# KiCad board mist1010.kicad_pcb (continued)
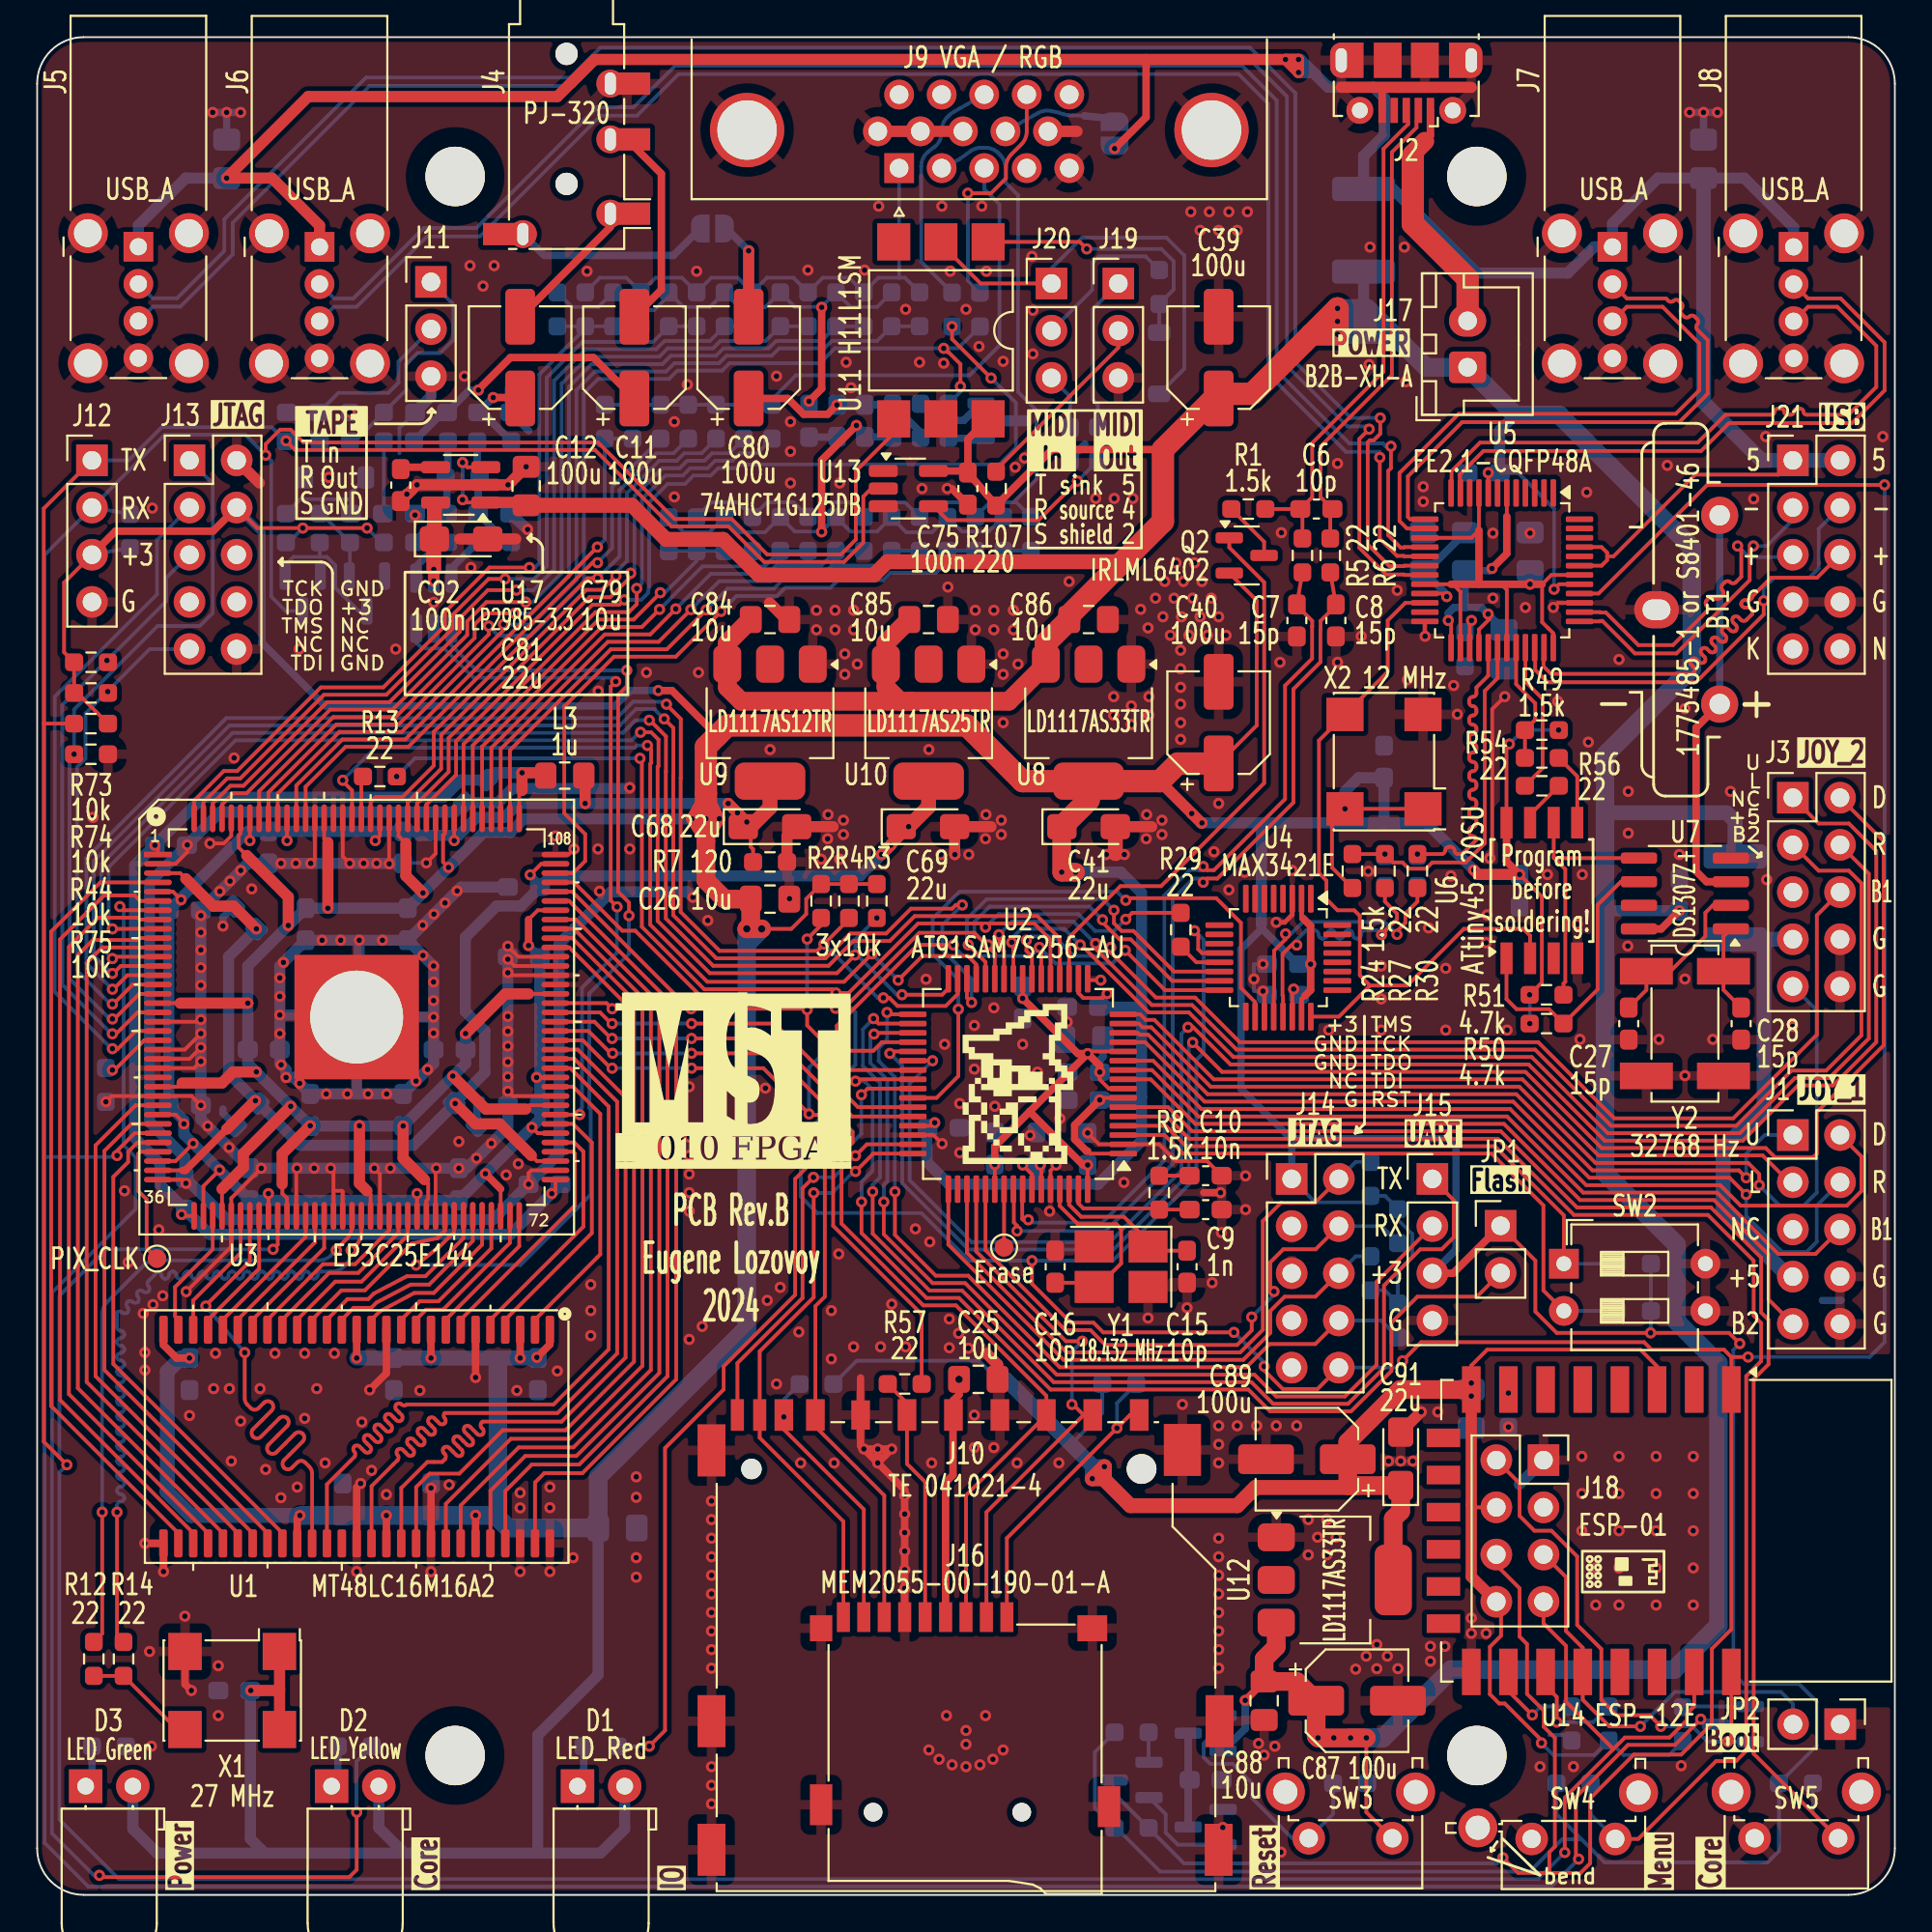
[diagram p0: board, top side]
## Routing (per net, layer and track width the routed paths; a pad name or vN(x,y) marks a point on that pad's centre or on a via; arc(x,y) is an arc through that point) (continued)
+3V3_2: length 104
  Top w0.2: J18.8 78.8,15.53 78.8,13.95 78.2,13.35 78.2,10.8 78.7,10.3 79,10.3 80.98,8.32 v1(80.98,8.18) ; J18.4 77.34,20.86 77.2,21 ; U14.3 87.2,28.45 86.3,29.35 78.06,29.35 77.2,28.49 U14.8
  Top w0.6: U14.8 77.2,27.2 77.2,17.13 J18.8
  Top w0.8: 71.1,22.03 71,21.93 65.58,21.93 64.6,20.95 58.85,20.95 57.4,22.4 ; 57.4,22.4 v1(56.8,22.4) v1(57.45,23.05) 57.45,22.45 57.4,22.4
  Top w1: U14.8 73.38,27.2 70.55,24.37 C89.1 70.55,22.03 C91.1 73.4,20.65 73,20.25 U12.2
  Bottom w0.2: 55.65,24.25 57.34,25.94 R53.1 ; R64.1 44.11,28.75 50.69,28.75 L2.1 ; R59.1 87.84,7.53 85.39,7.53 R109.2 83.81,7.53 81.63,7.53 v1(80.98,8.18)
  Bottom w0.8: 56.62,23.27 52.15,27.75 L2.1 ; 56.62,23.27 56.85,23.05 v1(57.45,23.05) 57.15,22.75 ; 56.62,23.27 56.8,23.1 v1(56.8,22.4) 57.15,22.75 ; 56.62,23.27 57.15,22.75
  vias: v1(77.2,27.55) v1(77.2,26.85)
+3V3A: length 4.4
  Top w0.6: v1(21.35,71.35) v1(21.35,70.72)
  Top w0.8: v1(21.35,71.35) 21.35,72.95 C81.1 21.38,74.68
  Bottom w0.2: 21.35,70.88 v1(21.35,71.35)
+5V: length 294.9
  Top w0.2: SW3.1 71.55,4.45 v1(71.55,8.45) ; U5.41 81.93,70.55 v1(81.66,70.28) ; v1(22.9,77.1) 23.15,76.85 U17.3 ; U5.8 v1(78.11,76.55) ; U17.1 23.05,74.95 v1(22.9,75.1)
  Top w0.4: C88.2 v1(65.03,10.47) ; U11.6 50.1,78.36 C75.2 R107.2 54.63,77.8 60.6,77.8 ; U7.8 87.42,52 v1(88.4,52.97) ; 48.26,76.65 50.01,76.65
  Top w0.6: U17.1 26.17,74.95 C79.2
  Top w0.8: C79.2 32.02,74.8 33.86,72.96 36.93,72.96 38.84,71.05 45.05,71.05 45.76,71.76 58.44,71.76
  Top w1: 55.56,68.89 C86.2 ; C85.2 45.69,67.39 U10.3 45.69,65.01 46.45,64.25 47.09,64.25 ; 63.6,80.8 C39.1 ; C84.2 37.15,67.39 U9.3 37.15,65 37.9,64.25 47.09,64.25 ; 47.09,64.25 52.3,64.25 U8.3 ; v1(71.55,8.45) v1(68.95,8.45) 68.85,8.55 C87.1 67.81,11.49 C88.2 66.05,12.7 66.7,13.35 U12.3
  Top w1.2: C86.2 54.3,67.39 U8.3 ; 68.6,84 65.4,80.8 63.6,80.8 ; 68.6,84 v1(70,84) v1(70,85.4) 68.6,84 ; 55.56,68.89 60.6,73.93 60.6,77.8 63.35,80.55 C39.1
  Bottom w0.2: v1(22.9,77.1) v1(22.9,75.1) ; 78.72,76.55 79.72,76.55 81.66,74.62 v1(81.66,70.28)
  Bottom w0.4: v1(65.03,10.47) 65.03,8.94 Q5.2
  Bottom w0.6: 71.6,85.4 71.4,85.6 F1.1 ; v1(88.4,52.97) 84.47,52.97 84.4,52.9 ; v1(78.11,76.55) 78.72,76.55 78.72,78.83 79.56,79.67
  Bottom w0.8: 84.4,58.25 90.95,58.25 91.4,57.8 F2.1
  Bottom w1: 72.45,8.45 v1(68.95,8.45) ; 72.45,8.45 v1(70.7,8.45) ; 72.45,8.45 v1(71.55,8.45) ; 72.45,8.45 76.12,12.12 88.12,12.12 90.5,14.5 90.5,28.62 88.25,30.87 88.25,35 84.4,38.85 84.4,61.35 89.07,66.02 89.07,72.53 81.93,79.67 79.56,79.67 J17.1 74.77,82.23 72.7,84.3 ; 72.45,8.45 v1(69.8,8.45) ; 72.7,84.3 71.6,85.4 v1(70,85.4) v1(70,84.7) ; 72.7,84.3 73,84 v1(70,84) v1(70,84.7) ; 72.7,84.3 72.3,84.7 v1(70,84.7)
+5V_JOY: length 23.8
  Bottom w0.8: J3.7 F2.2 ; 92.55,51.4 92.95,51 92.95,42.4 90.75,40.2 90.75,36.81 94.28,33.28
+5V_USB: length 164.2
  Top w0.2: J21.1 93.74,76.45 89.25,76.45 84.85,72.05 84.51,72.05 ; U5.43 84.21,71.55 84.51,71.85 84.51,72.25 84.21,72.55 U5.45
  Top w0.4: 59.7,98.8 59.69,98.79 59.69,95.69 v1(58,94)
  Top w0.6: v1(67.9,98.8) 67.8,98.7 ; v1(67.9,98.8) v1(67.9,98.1) v1(67.2,98.8) v1(67.9,98.8) ; v1(67.9,98.8) 30,98.8 28,96.8 14.59,96.8 v1(10.2,92.41) 12.65,92.41 15.2,89.86 J6.1
  Bottom w0.6: 69.49,97.31 71.94,97.31 72.53,96.72 72.53,94.72 71.4,93.6 F1.2 72.97,91.82 77.5,87.3 82.4,87.3 83.81,88.71 J7.1 84.8,89.96 87.25,92.41 C33.2 91.9,92.41 94.55,89.76 J8.1 ; 69.49,97.31 68.7,98.1 v1(67.9,98.1) ; 69.49,97.31 68,98.8 v1(67.9,98.8) ; v1(10.2,92.41) 7.99,92.41 5.45,89.87 J5.1 ; v1(67.9,98.1) v1(67.9,98.8) ; v1(67.9,98.1) v1(67.2,98.8) v1(67.9,98.8)
  Bottom w0.8: C33.2 89.7,80.35 92.83,77.22 J21.1 J21.2
GND: length 395.9
  Top w0.2: U3.2 7.45,55.5 8.08,56.13 v1(8.08,56.52) ; U3.36 7.81,38.5 v1(8.01,38.3) ; U3.41 10.45,37.5 v1(12.06,39.11) ; C10.2 62.97,39.5 61.3,39.5 60.4,40.4 U2.2 57.16,40.4 v1(56.55,41.01) ; U3.140 10.45,57 10.05,56.6 v1(9.3,56.6) ; v1(25.34,43.26) 25.6,43 U3.82 ; v1(25.34,50.36) 25.7,50 U3.96 ; v1(25.34,51.06) 25.9,50.5 U3.97 ; v1(16.83,55.52) 16.45,55.9 U3.128 ; 15.95,37.9 16.4,37.9 16.45,37.85 U3.53 ; v1(54.85,39.29) 54.55,38.99 U2.60 ; U3.22 7.95,45.5 v1(8.81,46.36) ; v1(14.72,55.52) 14.95,55.75 U3.131 ; U3.74 26.6,39 26.45,38.85 v1(26.45,38.25) ; U3.118 21.45,56.05 v1(20.95,55.55) ; U3.52 15.95,38.96 v1(15.8,39.11) ; v1(25.34,49.64) 25.47,49.5 U3.95 ; U2.46 48.25,40.9 v1(48.71,40.43) ; U5.24 74.7,67.76 v1(74.71,67.75) ; v1(13.99,39.11) 13.95,39.07 U3.48 ; v1(18.95,55.5) U3.123 ; U3.108 28.6,56 v1(28.9,56.3) ; U3.23 8.2,45 v1(8.81,45.61) ; U3.24 8.45,44.5 v1(8.81,44.86) ; U2.17 56.62,49.24 v1(57.25,49.24) ; v1(21.49,39.11) 21.45,39.07 U3.63 ; v1(3.7,42.69) 4.01,43 U3.27 8.31,43 v1(8.81,42.5) ; U3.57 18.45,38.81 v1(18.15,39.11) ; v1(65.99,48.65) 66.06,48.57 U4.19 ; v1(78.2,55.8) 78.32,55.92 78.32,63.82 v1(79,64.5) ; 10.45,34.9 v1(8.02,32.47) ; U3.19 8.7,47 v1(8.81,47.11) ; v1(81.61,69.3) 81.86,69.55 U5.39
  Top w0.25: U3.41 10.45,34.9 ; v1(66.7,52.35) 67.15,52.35 67.56,52.76 U4.3
  Top w0.4: v1(45.25,23.25) 46.7,21.8 J16.6 ; v1(45.25,23.25) v1(44.5,24) ; v1(45.25,23.25) v1(46,24) v1(45.25,24) ; v1(45.25,23.25) v1(45.25,24) ; 72.4,96.1 72.4,97.1 ; v1(44.5,24) v1(45.25,24) ; v1(44.5,24) 44.32,24.17 J10.6 44.32,27.82 ; X1.2 7.96,11.34 v1(8.3,11) ; U1.12 18.8,28.08 v1(17.9,27.18) ; U1.46 v1(21.2,21.9) ; v1(23.6,27.85) U1.6 ; 49.24,75.7 C75.1 ; v1(17.41,22.14) 17.2,21.93 U1.41 ; v1(5.8,18.92) U1.28 v1(6.8,17.4) ; v1(63.7,37.8) 62.8,37.8
  Top w0.6: v1(49.4,56) 49.39,56.01 C69.2 51.35,57.5 ; C91.2 74.49,26 v1(74.5,26) ; J13.2 11.96,76 ; J9.10 55.98,94.93 ; R7.2 40.36,56.97 C68.2 42.85,57.5 ; 70.2,97.3 77.2,97.3 ; 51.1,29.15 51.7,28.55 C25.1 ; 25.76,72.99 C81.2 22.75,72.99 ; 39.43,69.55 40.32,68.65 C84.1 ; C41.2 60,57.5 ; C92.1 v1(20.45,75.9) U17.2 v1(25.35,75.9) v1(26.32,76.88) ; J9.6 J9.8
  Top w0.8: 58.05,56.05 58.04,56.06 C41.2
  Bottom w0.2: C13.2 19.5,78.96 19.5,77.6 ; R110.2 82.31,8.6 81.4,8.6 ; v1(65.99,48.65) 65.5,48.65 v1(65.5,49.3) 65.5,50.1 v1(65.99,50.1) ; v1(20.95,55.55) 19.72,55.55 ; C1.1 55.3,46.84 v1(55.45,46.99) 55.44,47 C63.1
  Bottom w0.4: C37.1 23.67,42.57 23.9,42.8 ; C36.1 10,42.08 10,42.3 ; v1(10.2,95.95) v1(10.95,95.95) ; v1(10.2,95.95) v1(9.45,95.95) ; v1(10.2,95.95) C34.1 ; C33.1 v1(89.7,95.95) ; v1(89.7,95.95) v1(88.95,95.95) ; v1(89.7,95.95) v1(90.45,95.95) ; 97.1,32 96.1,32 ; C14.2 25.47,79.8 26.46,78.81 ; C38.1 10,52.62 v1(10,52.15) ; 55.6,77.3 56.4,78.1
  Bottom w0.6: v1(35.3,53.7) 35,54 30.9,54 28.1,51.2 28.1,39.9 v1(26.45,38.25) 24.55,36.35 10.21,36.35 C72.1 7.95,39.7 6.05,41.6 6.05,54.49 C71.1 ; v1(25.34,51.06) v1(25.34,50.36) v1(25.34,49.64) v1(25.34,47.29) v1(25.34,46.49) v1(25.34,45.69) v1(25.34,44.84) v1(25.34,44.04) v1(25.34,43.26) C47.1 25.34,41.34 v1(24.45,40.45) v1(23.65,39.65) 23.11,39.11 v1(22.7,39.11) v1(21.49,39.11) v1(19.01,39.11) v1(14.91,39.11) v1(13.99,39.11) v1(12.06,39.11) C48.1 v1(10.33,40.23) v1(9.18,41.38) 8.81,41.75 v1(8.81,42.5) v1(8.81,44.86) v1(8.81,45.61) v1(8.81,46.36) v1(8.81,47.11) v1(8.81,48.96) v1(8.81,49.91) v1(8.81,50.86) v1(8.81,51.81) v1(8.81,52.71) C43.1 v1(9.83,54.02) v1(10.38,54.57) v1(10.96,55.14) 11.34,55.52 C45.1 v1(13.12,55.52) v1(13.92,55.52) v1(14.72,55.52) v1(16.83,55.52) v1(17.58,55.52) v1(18.28,55.52) 18.92,55.52 v1(18.95,55.5) 18.97,55.52 C42.1 ; J11.3 21.2,80.66 C13.2 ; J18.1 79.79,22.1 ; J9.6 47.54,94.93 ; C70.1 24.81,58.79 25.57,59.55 31.85,59.55 v1(31.9,59.6) ; v1(17.34,51.39) 17.34,47.39 ; v1(17.34,51.39) v1(18.59,51.39) C50.1 ; v1(17.34,51.39) v1(16.34,51.39) v1(15.34,51.39) C55.1 v1(13.26,50.19) 13.06,50 v1(13.06,49.36) v1(13.06,48.36) v1(13.06,47.36) ; J9.10 55.93,94.93 ; v1(13.06,47.36) 17.09,47.36 ; v1(13.06,47.36) v1(13.06,46.36) C57.1 13.06,44.75 v1(13.13,44.68) 13.4,44.41 v1(13.4,44) 13.81,44 v1(14.13,43.68) C54.1 v1(15.56,43.11) v1(16.7,43.11) 17.29,43.11 ; C14.2 25.46,81.06 ; v1(21.34,47.25) U3.145 17.2,43.2 17.29,43.11 ; C35.1 22.81,54.25 v1(22.61,54.04) v1(21.96,53.39) v1(21.36,52.79) v1(20.76,52.19) C50.1 ; C83.2 v1(26.4,73.5) ; C50.1 v1(20.77,50.57) v1(21.34,50) v1(21.34,49.14) v1(21.34,48.14) v1(21.34,46.39) C56.1 21.34,44.75 v1(21.02,44.43) v1(20.39,43.81) C53.1 v1(18.81,43.11) v1(17.81,43.11) 17.29,43.11 ; 22.89,58.69 22.49,58.29 9.85,58.29 v1(8.08,56.52)
  vias: v1(3,58) v1(4.7,37.9) v1(4.9,34.05) v1(5.71,31.3) v1(5.8,29.2) v1(5.8,28.25) v1(6.05,13.1) v1(6.2,74.65) v1(6.23,31.77) v1(6.15,8) v1(6.55,35.8) v1(6.76,32.25) v1(7.95,15) v1(8.2,25.8) v1(9.5,27.25) v1(9.6,29.15) v1(9.75,12.33) v1(9.75,9.65) v1(10.35,27.25) v1(10.45,23.35) v1(10.6,61.2) v1(10.95,25.5) v1(11.55,54.15) v1(12,27.25) v1(12.3,22.9) v1(12.8,29.15) v1(13.12,21.38) v1(14,21.95) v1(14.1,67.06) v1(14.4,29.15) v1(14.4,25.65) v1(15.05,27.25) v1(15.5,23.25) v1(15.7,76.3) v1(16,29.15) v1(16.84,79.8) v1(17.2,17.4) v1(17.47,25.45) v1(18,22.85) v1(18.8,21.55) v1(19.3,67.06) v1(19.9,75.4) v1(20.34,74.27) v1(20.6,27.15) v1(21.2,17.4) v1(21.35,69.57) v1(22.18,22.07) v1(22.7,40.55) v1(23,81.75) v1(23.3,87.7) v1(23.35,71.45) v1(24,86.6) v1(24.6,87.7) v1(25.25,38.75) v1(25.83,27.15) v1(25.9,39.35) v1(26,21.65) v1(26,20.83) v1(26,17.4) v1(27.6,21.95) v1(27.6,20.84) v1(27.6,17.4) v1(27.9,57) v1(28,28.2) v1(28.85,18.15) v1(29.6,87.4) v1(29.8,32.85) v1(29.8,31.45) v1(29.8,30.1) v1(30.2,64.8) v1(30.19,56.3) v1(30.28,54.02) v1(31.9,56.3) v1(32.25,22.5) v1(32.25,21.4) v1(32.25,18.15) v1(32.25,17.1) v1(32.8,65.8) v1(34.3,79.3) v1(34.3,75.25) v1(35,81.3) v1(35.1,43.5) v1(35.1,40.8) v1(35.1,39.8) v1(35.1,38.8) v1(35.1,37.8) v1(35.1,36.8) v1(35.1,29.9) v1(35.5,87.4) v1(35.6,65.8) v1(35.8,30.6) v1(36.1,52.45) v1(36.3,21.2) v1(36.3,20.2) v1(36.3,19.2) v1(36.3,18.2) v1(36.3,17.2) v1(36.3,16.2) v1(36.3,15.2) v1(36.3,14.2) v1(36.3,13.2) v1(36.3,12.2) v1(36.3,6.9) v1(36.3,5.9) v1(36.3,4.9) v1(39.2,43.42) v1(39.3,32) v1(39.45,61.65) v1(39.8,81.75) v1(39.8,27.5) v1(40,32.7) v1(40.43,42.2) v1(40.43,41.2) v1(40.43,40.2) v1(40.5,53.62) v1(40.55,79.3) v1(40.55,77.7) v1(40.55,76) v1(41,30.3) v1(41.1,23.25) v1(41.49,87.46) v1(41.95,69.15) v1(41.95,68.1) v1(42.2,55.75) v1(42.57,58.15) v1(42.55,56.85) v1(42.75,31.45) v1(42.75,28.85) v1(42.95,69.15) v1(42.95,68.1) v1(42.9,23.25) v1(43.2,76) v1(43.2,55.75) v1(43.15,34.5) v1(43.4,57.85) v1(43.4,57.07) v1(43.47,66.8) v1(43.47,65.7) v1(43.55,82.5) v1(43.81,81.13) v1(43.95,69.15) v1(43.95,68.1) v1(43.95,29.5) v1(44.15,66.25) v1(44.54,87.46) v1(45.3,90.9) v1(45.4,29.5) v1(46,31.8) v1(46.75,85.35) v1(46.75,29.5) v1(46.7,21.5) v1(46.7,20.5) v1(46.7,19.5) v1(46.7,18.5) v1(46.7,17.5) v1(46.7,16.5) v1(47.28,35.85) v1(47.5,82.5) v1(47.63,75.7) v1(47.85,49.29) v1(48,61.65) v1(48,7.8) v1(48.05,35.15) v1(48.15,23.25) v1(48.55,7.3) v1(48.7,90.9) v1(48.65,56) v1(48.8,82.45) v1(48.85,45.79) v1(48.95,9.65) v1(48.99,75.7) v1(49.03,70.4) v1(49.1,31) v1(49.1,29.45) v1(49.15,87.4) v1(49.25,7) v1(49.6,30.22) v1(49.66,42.6) v1(49.66,39.95) v1(50,85.35) v1(50,8.85) v1(50,8.1) v1(50,6.9) v1(50.12,29.42) v1(50.15,56) v1(50.45,46.8) v1(50.45,44.45) v1(50.45,25.82) v1(50.45,24.07) v1(50.5,69.15) v1(50.5,68.1) v1(50.7,83.35) v1(50.75,7) v1(50.85,90.9) v1(51.1,87.4) v1(51.07,58.15) v1(51.05,56.85) v1(51.05,9.65) v1(51.45,7.3) v1(51.5,69.15) v1(51.5,68.1) v1(51.5,47.75) v1(51.55,42.45) v1(51.5,24.07) v1(51.9,57.85) v1(51.9,57.07) v1(52,82.55) v1(52,66.8) v1(52,65.7) v1(52,63.1) v1(52,7.8) v1(52.55,69.15) v1(52.55,68.1) v1(52.65,76.85) v1(52.75,23.25) v1(52.8,66.25) v1(53.05,45.79) v1(53.15,77.35) v1(53.45,40.89) v1(53.55,88.2) v1(53.6,85.3) v1(53.6,82.95) v1(53.85,44.29) v1(54.5,36.8) v1(55.05,41.79) v1(55,23.25) v1(55.55,70.7) v1(56.98,75.17) v1(57.55,56) v1(57.95,64.5) v1(57.95,63.5) v1(57.98,75.17) v1(58.53,56) v1(58.5,38.35) v1(58.9,64) v1(58.9,63) v1(58.98,75.17) v1(59.4,69.2) v1(59.72,58.15) v1(59.7,56.85) v1(59.8,68.2) v1(59.85,64.5) v1(59.85,63.5) v1(59.8,31.05) v1(60.2,69.8) v1(60.6,68.8) v1(60.55,57.85) v1(60.55,57.07) v1(60.7,70.7) v1(61,67.8) v1(61.2,69.8) v1(61.3,71.7) v1(61.6,68.8) v1(61.55,67) v1(61.55,66) v1(61.55,65) v1(61.55,64.1) v1(61.55,63.1) v1(61.55,62.2) v1(61.7,70.7) v1(61.65,26.4) v1(61.9,31.6) v1(62,67.8) v1(62.1,90.6) v1(62.2,69.8) v1(62.3,71.7) v1(62.6,89.6) v1(62.6,68.8) v1(62.7,70.7) v1(63,67.8) v1(63.1,90.6) v1(63.2,69.8) v1(63.35,56.15) v1(63.25,32.95) v1(63.6,89.6) v1(63.6,68.8) v1(63.6,58.75) v1(63.6,25.25) v1(63.6,24.25) v1(63.6,23.25) v1(63.6,19.2) v1(63.6,18.2) v1(63.6,17.2) v1(63.6,16.2) v1(63.6,15.2) v1(63.6,14.2) v1(63.6,13.2) v1(63.6,12.2) v1(63.75,35.65) v1(63.82,3.62) v1(64,67.8) v1(64.15,90.6) v1(64.15,54.1) v1(64.6,89.6) v1(64.6,25.25) v1(65,55.05) v1(65.05,38.7) v1(65.05,36.89) v1(65.15,90.6) v1(65.65,25.25) v1(65.75,8.15) v1(66.05,7.53) v1(66.62,8) v1(66.7,25.25) v1(66.9,66.35) v1(66.95,2.3) v1(66.97,73.32) v1(67.55,55.15) v1(67.8,25.25) v1(68.43,20.2) v1(68.43,18.3) v1(68.93,19.25) v1(69.43,20.2) v1(69.43,18.3) v1(69.53,46.55) v1(69.93,19.25) v1(70,77.05) v1(70,66.35) v1(70.97,12.15) v1(71.28,67.75) v1(71.54,12.85) v1(71.75,88.7) v1(71.7,82.38) v1(71.65,55.1) v1(72.11,13.47) v1(72.11,12.17) v1(72.35,50) v1(72.35,48.22) v1(72.35,46.55) v1(72.75,23.35) v1(72.68,12.85) v1(73.21,70.22) v1(73.25,12.17) v1(73.4,23.35) v1(73.6,88.7) v1(73.68,81.45) v1(73.76,65.4) v1(74.05,23.35) v1(74.61,75.8) v1(74.61,75) v1(74.9,52.05) v1(75,13.38) v1(75,12.57) v1(75.4,26) v1(75.82,49.88) v1(75.82,46.55) v1(75.78,13.38) v1(76.1,54.85) v1(76.25,65.1) v1(76.45,63.55) v1(77.2,14.9) v1(77.2,14.07) v1(78,51.25) v1(78,14.07) v1(78.05,52.75) v1(78.36,73.3) v1(78.36,69.8) v1(79.12,46.55) v1(79.2,25.19) v1(80.11,69.3) v1(80.36,73.3) v1(80.9,6.9) v1(81.3,54.92) v1(81.85,64.25) v1(82.7,6.9) v1(82.9,52.25) v1(83.05,46.05) v1(83.18,54.92) v1(83.15,23.6) v1(83.15,21.6) v1(83.15,19.6) v1(83.41,75.5) v1(83.5,62.05) v1(83.9,17.6) v1(83.9,15.6) v1(85.15,66.5) v1(85.15,23.6) v1(85.15,21.6) v1(85.15,19.6) v1(85.15,17.6) v1(85.15,15.6) v1(85.62,51.07) v1(85.65,59.4) v1(85.65,57.15) v1(87.15,23.6) v1(87.15,21.6) v1(87.15,19.6) v1(87.15,17.6) v1(87.15,15.6) v1(87.3,46.05) v1(87.75,76.95) v1(88.4,56) v1(88.5,6.95) v1(88.7,63.85) v1(88.7,49.3) v1(88.7,44.1) v1(89.15,23.6) v1(89.15,21.6) v1(89.15,19.6) v1(89.15,17.6) v1(89.15,15.6) v1(90.2,46.05) v1(91.15,59.4) v1(92.4,75.15) v1(93.05,78.5) v1(93.1,54.65) v1(94.5,46.75) v1(99.35,78.5)
+BATT: length 21.8
  Top w0.4: BT1.1 89.3,62.83 89.3,55.1 89.86,54.54 91.18,54.54
  Bottom w0.4: BT1.1 BT1.1
/ARM_TCK: length 32.4
  Top w0.2: U2.53 51.05,34.7 55.35,30.4 56.7,30.4 57.5,29.6 64.59,29.6 65.38,30.39 v1(65.38,31.1) ; v1(66.58,32.48) 66.38,32.68 66.38,34.05 67.08,34.75 68.82,34.75 J14.4
  Bottom w0.2: 73.28,35.09 72.36,36 J14.4 ; v1(66.58,32.48) 66.58,32.3 v1(65.38,31.1)
/ARM_TDI: length 45.4
  Top w0.2: J14.8 68.8,29.65 66.34,29.65 65.09,28.4 55.05,28.4 50.12,33.33 48.37,33.33 46.17,35.53 v1(46.17,37.85) ; v1(45.75,47.5) 45.85,47.4 U2.33
  Bottom w0.2: J14.8 72.34,30.92 R72.2 ; v1(46.17,37.85) 46.17,37.86 46.17,44.03 45.3,44.89 45.3,45.58 45.75,46.03 v1(45.75,47.5)
/ARM_TDO: length 31.3
  Top w0.2: U2.49 49.05,35 55.25,28.8 64.93,28.8 66.38,30.25 66.38,31.43 67.15,32.2 68.81,32.2 J14.6
  Bottom w0.2: J14.6 70.98,34.37 R71.2
/ARM_TMS: length 35
  Top w0.2: J14.2 68.78,37.25 66.95,37.25 65.98,36.28 65.98,30.42 64.76,29.2 55.42,29.2 50.05,34.57 U2.51
  Bottom w0.2: J14.2 70.98,39.45 R69.2
/AUDIO_L: length 55
  Top w0.2: v1(31.74,65.91) 31.74,65.91 31.74,65.07 31.28,64.6 31.28,54 31.86,53.42 v1(31.86,52.71) ; U3.65 22.45,35.68 21.71,34.94 v1(20.4,33.9)
  Bottom w0.2: v1(31.74,65.91) 23.65,65.91 22.3,67.27 U16.1 ; v1(31.86,52.71) 31.86,50.66 29.73,48.53 29.73,42.36 29.8,42.29 29.8,37.7 26,33.9 v1(20.4,33.9)
/AUDIO_R: length 38.1
  Top w0.2: v1(31.14,65.32) 30.88,65.05 30.88,53.52 v1(31.22,53.18) ; U3.80 v1(29.2,42)
  Bottom w0.2: v1(29.2,42) 29.2,42.25 29.33,42.38 29.33,48.83 31.22,50.72 v1(31.22,53.18) ; U16.3 20.4,67.42 20.73,67.09 21.91,67.09 23.49,65.51 30.94,65.51 v1(31.14,65.32)
/B: length 32.3
  Bottom w0.2: R41.2 R40.2 R39.2 R37.2 R35.2 R34.2 R33.2 ; 39.55,80.5 40.85,81.8 50.2,81.8 51.8,83.4 51.8,91 50.98,91.82 J9.3
/Button1: length 76.6
  Top w0.2: U2.5 60.81,41.9 62.01,40.7 78.63,40.7 82.73,36.6 89.94,36.6 92.4,34.14 92.4,31.18 92.8,30.78 92.8,28.73 92,27.93 92,7.75 91.45,7.2 90.38,7.2 86.19,3.01 SW4.1
  Bottom w0.2: SW4.1 83.61,4.35 R62.2
/Button2: length 74.8
  Top w0.2: SW5.1 92.4,7.6 92.4,27.76 93.2,28.56 93.2,30.95 92.8,31.35 92.8,34.3 90.1,37 82.89,37 78.79,41.1 62.18,41.1 60.88,42.4 U2.6
  Bottom w0.2: SW5.1 95.59,4.41 R63.2
/CLK_12: length 40.4
  Top w0.2: 71.75,48.95 70.07,47.27 U4.24 ; 71.75,48.95 71.2,49.5 71.2,52.7 70.9,53 70,53 69.4,53.6 69.4,54.6 69,55 69,62.14 X2.3 72.7,65.84 72.7,68.6 73.65,69.55 U5.22 ; 71.75,48.95 73.75,48.95 76.8,52 80,52 80.37,51.63 U6.2
/CLK_27: length 6.1
  Top w0.2: X1.3 7.54,8.9 R14.1 R12.1
/CONF_DATA0: length 79.6
  Top w0.2: v1(50.3,48.04) 50.05,48.29 U2.30 ; v1(49.8,53.29) 49.45,53.29 49.25,53.09 47.04,53.09 45.7,51.75 43.77,51.75 42.44,50.41 36.56,50.41 34.24,52.73 34.24,60.29 34.25,60.3 34.25,62.81 v1(33.75,63.3) ; U3.13 4.5,50 4.1,49.6 v1(4.05,49.6)
  Bottom w0.2: v1(33.75,63.3) 33.23,63.83 32.24,63.83 31.36,62.95 10.35,62.95 3.05,55.65 3.05,50.55 4,49.6 v1(4.05,49.6) ; v1(49.8,53.29) 48.72,52.21 48.72,50.86 50.3,49.29 v1(50.3,48.04)
/CONF_DCLK: length 77.6
  Top w0.2: v1(4.05,50.4) 4.15,50.5 U3.12 ; U2.20 55.05,51.48 53.84,52.69 50.76,52.69 47.24,52.69 45.9,51.35 43.94,51.35 42.6,50.01 36.39,50.01 33.84,52.56 33.84,60.46 33.85,60.46 33.85,62.36 32.98,63.23 v1(32.95,63.23)
  Bottom w0.2: v1(32.95,63.23) 32.2,63.23 31.52,62.55 10.52,62.55 3.45,55.48 3.45,51 v1(4.05,50.4)
/CONF_DONE: length 26
  Top w0.2: U2.36 45.47,45.9 45.01,45.44 42.8,45.44 42.45,45.79 42.45,45.8 41.45,46.8 v1(41.45,47.65) 41.4,47.7 v1(35.2,47.7) ; v1(30.95,47.7) 30.65,48 U3.92 ; 42.2,52.2 v1(41.45,51.45)
  Bottom w0.2: v1(35.2,47.7) v1(30.95,47.7) 31.05,47.7 ; v1(41.45,51.45) v1(41.45,47.65)
/CONF_NCONFIG: length 77
  Top w0.2: U3.14 4.85,49.5 4.1,48.75 v1(4.05,48.75) ; 43.7,52.52 v1(42.35,51.18) 41.99,50.81 36.74,50.81 34.64,52.91 34.64,60.13 34.65,60.13 34.65,63.3 33.88,64.07 v1(33.88,64.09) ; U2.31 49.55,48.49 48.91,47.85 46.31,47.85 45.87,48.29 v1(45.55,48.29)
  Bottom w0.2: v1(4.05,48.75) 2.65,50.15 2.65,55.81 10.19,63.35 31.19,63.35 32.07,64.23 33.74,64.23 v1(33.88,64.09) ; v1(45.55,48.29) 45.24,48.29 v1(42.35,51.18)
/CONF_NSTATUS: length 69.1
  Top w0.2: v1(44.03,50.59) 43.05,49.61 36.21,49.61 33.4,52.42 33.4,60.72 33.45,60.76 33.45,62.18 ; v1(32.48,62.58) 33.05,62.58 33.45,62.18 ; 49.05,48.79 48.72,48.45 v1(46.56,48.45) ; U3.9 v1(4.05,52)
  Bottom w0.2: v1(46.56,48.45) 46.27,48.45 44.13,50.59 v1(44.03,50.59) 44.03,51.42 v1(45.2,52.59) ; v1(4.05,52) 3.85,52.2 3.85,55.32 10.68,62.15 32,62.15 32.43,62.58 v1(32.48,62.58)
/CVBS: length 5.2
  Top w0.6: v1(38.3,88.5) C80.2
  Bottom w0.4: v1(38.3,88.5) 37.1,89.7
/CVBS_C: length 27.3
  Top w0.4: v1(42.23,85.46) 42.23,81.08 v1(41.55,80.4)
  Bottom w0.2: 34,86.1 33.2,85.3 31.96,85.3 R77.2 30.21,85.48 28.79,85.48 R76.2 ; R82.2 45.21,85.48 43.79,85.48 R81.2 42.21,85.48 40.79,85.48 R80.2 39.21,85.48 37.79,85.48 R79.2 36.21,85.48 34.79,85.48 R78.2
/CVBS_Y: length 31.7
  Top w0.4: v1(42.23,73.37) 42.23,77.23 v1(44.1,79.1)
  Bottom w0.2: v1(42.23,73.37) 42.23,73.4 43,74.17 ; 43,74.17 43.79,73.39 45.21,73.39 46,74.17 ; 43,74.17 42.21,73.39 40.79,73.39 40,74.17 39.18,73.35 37.81,73.35 R84.2 36.19,73.35 34.8,73.35 R83.2 ; 46,74.14 46.79,73.35 48.18,73.35 49,74.17 49.79,73.39 51.21,73.39 52,74.17
  Bottom w0.4: 44.55,78.65 v1(44.1,79.1) ; C78.2 46.04,78.49
/DM_PUP: length 30.1
  Top w0.2: Q2.1 64.17,72.53 66.05,70.65 66.05,59.85 60.5,54.3 58.31,54.3 55.55,51.54 U2.19
/ESP_BOOT: length 21.9
  Top w0.2: J18.5 82.3,17.11 82.3,14.2 83.2,13.3 U14.18 ; 83.2,11.18 83.2,10.5 84.63,9.07 v1(86.3,9.07)
  Bottom w0.2: v1(86.3,9.07) 88.15,10.92 93.88,10.92 94.52,10.28 JP2.2
/ESP_TX: length 28.6
  Top w0.2: U14.22 91.2,8.45 v1(91,8.25) ; J18.2 79.8,22.15 79.8,20.4 80.6,19.6 81.52,19.6 82.9,18.22 82.9,14.53 84.2,13.23 84.2,10.5 85.03,9.67 86.8,9.67 v1(87.4,9.07)
  Bottom w0.2: 92.21,8.25 v1(91,8.25) 89.91,8.25 89.09,9.07 v1(87.4,9.07)
/FPGA_TCK: length 39.2
  Top w0.2: v1(4.05,47.15) 4.15,47.15 5.5,48.5 U3.16
  Bottom w0.2: J13.1 9.45,75.97 9.45,69 8.75,68.3 6.48,68.3 1.99,63.81 v1(1.99,61.4) 1.75,61.16 1.75,49.3 3.9,47.15 v1(4.05,47.15)
/FPGA_TDI: length 26.7
  Top w0.2: v1(4.05,47.95) 4.1,47.95 5.15,49 U3.15
  Bottom w0.2: v1(4.05,47.95) 3.95,47.95 2.15,49.75 2.15,60.71 2.6,61.16 2.6,63.6 3.7,64.7 ; 3.7,64.7 3.77,64.77 v1(3.8,64.77) ; 3.7,64.7 6.06,67.06 J13.9
/FPGA_TDO: length 36.3
  Top w0.2: v1(4.05,45.55) 4.35,45.55 5.3,46.5 U3.20
  Bottom w0.2: J13.3 6.45,72.93 6.45,70 0.95,64.5 0.95,48.6 4,45.55 v1(4.05,45.55)
/FPGA_TMS: length 33.1
  Top w0.2: v1(4.05,46.35) 4.25,46.35 5.4,47.5 U3.18
  Bottom w0.2: J13.5 6.95,70.89 6.95,69.64 3.46,66.15 ; 3.46,66.15 1.35,64.04 1.35,49 4,46.35 v1(4.05,46.35) ; 3.46,66.15 v1(3.75,66.44)
/G: length 45.5
  Bottom w0.2: 52.55,74.96 51.29,74.96 50.5,74.17 49.71,74.96 48.29,74.96 47.5,74.17 46.71,74.96 45.29,74.96 44.5,74.17 43.71,74.96 42.29,74.96 41.5,74.17 40.71,74.96 39.29,74.96 38.5,74.17 37.71,74.96 36.29,74.96 35.5,74.17 ; 52.55,74.96 52.71,74.96 53.5,74.17 ; 52.55,74.96 53.8,76.21 53.8,79.9 52.8,80.9 52.8,91.5 52.12,92.17 52.12,92.96 52.12,93.06 52.08,93.25 52.01,93.43 51.9,93.6 51.83,93.67 51.74,93.76 51.67,93.82 51.51,93.93 51.33,94.01 51.13,94.05 51.04,94.05 50.82,94.05 50.72,94.05 50.51,94 50.32,93.92 50.24,93.86 49.67,93.45 49.63,93.42 49.56,93.38 49.53,93.36 J9.2
/HS: length 13
  Bottom w0.2: J9.13 49.32,95.97 arc(49.21,95.89) 49.1,95.8 49.08,95.78 49.08,95.77 arc(48.79,95.42) 48.69,94.98 48.7,94.9 arc(48.6,94.45) 48.31,94.1 47.98,93.84 arc(47.69,93.49) 47.59,93.05 47.59,87.91 R43.2
/MISO: length 81.6
  Top w0.2: 41.9,25.2 45.6,21.5 J16.7 ; U3.105 28.9,54.5 31.5,51.9 32.19,51.9 35.84,48.25 42.45,48.25 v1(42.98,47.72) 43.14,47.89 43.58,47.89 47.48,51.79 50.44,51.79 51.12,51.11 ; v1(51.2,51.14) 51.15,51.14 51.12,51.11 ; v1(57.35,52.49) 57.35,52.35 58.26,51.44 58.32,51.44 58.86,51.44 61.1,49.2 U4.15 ; 51.12,51.11 51.55,50.67 U2.27 ; v1(42.69,41.38) 42.4,41.09 42.4,39.79 42.4,39.79 42.4,39.29 42.4,38.04 42.4,38.04 42.4,32.2 41.9,31.69 41.9,25.83
  Bottom w0.2: v1(57.35,52.49) 56.64,53.2 51.27,53.2 50.45,52.38 50.45,51.8 51.11,51.14 v1(51.2,51.14) ; v1(42.69,41.38) 42.95,41.64 42.95,44.24 43.65,44.94 43.65,47.05 v1(42.98,47.72)
/MOSI: length 83.4
  Top w0.2: J16.3 50,21.5 J10.2 ; v1(30.95,44.5) 30.88,44.5 29.38,46 U3.88 ; v1(35.22,44.5) 39.09,44.5 v1(41.55,42.04) 41.61,41.98 42.99,41.98 43.9,41.07 43.9,40.5 43.3,39.9 43.3,36.13 47.7,31.73 49.46,31.73 54.32,26.86 54.32,25.72 ; v1(49.32,51.14) 47.4,51.14 43.05,46.79 v1(43.05,46.04) ; U2.22 54.05,50.9 v1(53.95,51) ; U4.16 60.71,48.7 v1(58.57,50.84)
  Bottom w0.2: v1(41.55,42.04) 41.55,44.54 v1(43.05,46.04) ; v1(58.57,50.84) 57.87,50.14 54.81,50.14 v1(53.95,51) 53.49,50.54 49.84,50.54 49.32,51.05 v1(49.32,51.14) ; v1(30.95,44.5) v1(35.22,44.5)
/PIXEL_CLK: length 7.2
  Top w0.2: TP1.1 5.9,34.8 5.9,37.43 5.45,37.88 5.45,39.9 5.55,40 U3.33
/R: length 27.8
  Bottom w0.2: 46.4,87.05 45.29,87.05 R20.2 43.71,87.05 42.29,87.05 R19.2 40.71,87.05 39.29,87.05 R18.2 37.71,87.05 36.29,87.05 R17.2 34.71,87.05 33.29,87.05 R16.2 31.71,87.05 30.29,87.05 R15.2 ; 46.4,87.05 46.71,87.05 R21.2 ; 46.4,87.05 J9.1
/RAM_A0: length 7.4
  Top w0.2: U3.49 14.45,35.41 10,30.96
/RAM_A1: length 6.7
  Top w0.2: 9.2,30.96 11.95,33.71 U3.44
/RAM_A2: length 7.2
  Top w0.2: U1.25 8.4,32 10.95,34.55 U3.42
/RAM_A3: length 7
  Top w0.2: U3.39 9.45,34.75 7.42,32.72 7.42,31.15 7.6,30.97 U1.26
/RAM_A4: length 42.1
  Top w0.2: 7.6,19.46 0.75,26.31 0.75,51.85 3.4,54.5 U3.4
/RAM_A5: length 41.3
  Top w0.2: 8.4,19.47 1.23,26.64 1.23,51.43 3.6,53.8 5.25,53.8 5.55,53.5 U3.6
/RAM_A6: length 40.1
  Top w0.2: U3.8 5.53,52.5 5.43,52.6 3.28,52.6 1.71,51.03 1.71,26.95 9.2,19.46
/RAM_A7: length 39
  Top w0.2: U3.10 5.52,51.5 5.42,51.4 3,51.4 2.19,50.59 2.19,27.28 10,19.46
/RAM_A8: length 38.2
  Top w0.2: 10.8,19.47 2.67,27.61 2.67,50.17 3.5,51 U3.11
/RAM_A9: length 28.6
  Top w0.2: 11.6,19.46 3.14,27.92 3.14,40.34 5.3,42.5 U3.28
/RAM_A10: length 7.3
  Top w0.2: 10.8,30.97 14.95,35.12 U3.50
/RAM_A11: length 28.2
  Top w0.2: U1.35 12.4,19.47 3.62,28.25 3.62,40.05 5.08,41.5 U3.30
/RAM_A12: length 26.4
  Top w0.2: U3.32 5.4,40.5 4.9,40 4.9,39.45 4.1,38.65 4.1,28.57 13.2,19.47
/RAM_BA0: length 9.3
  Top w0.2: U3.58 18.95,35.78 17.12,33.95 15.39,33.95 12.4,30.96
/RAM_BA1: length 7.2
  Top w0.2: U3.51 15.45,34.81 11.6,30.96
/RAM_CLK: length 31.1
  Top w0.2: v1(11.17,29.19) 11.17,26.72 arc(11.21,26.54) 11.31,26.39 11.5,26.2 arc(11.71,26.11) 11.92,26.2 12.21,26.49 arc(12.42,26.58) 12.62,26.49 arc(12.71,26.28) 12.62,26.07 11.63,25.08 arc(11.54,24.87) 11.63,24.66 arc(11.84,24.57) 12.04,24.66 13.04,25.66 arc(13.25,25.74) 13.46,25.66 arc(13.55,25.45) 13.46,25.24 12.46,24.24 arc(12.38,24.03) 12.46,23.82 arc(12.67,23.74) 12.88,23.82 13.88,24.82 arc(14.08,24.91) 14.29,24.82 arc(14.38,24.61) 14.29,24.4 13.3,23.41 arc(13.21,23.2) 13.3,22.99 arc(13.5,22.9) 13.71,22.99 14,23.28 arc(14.21,23.37) 14.42,23.28 14.65,23.05 arc(14.76,22.88) 14.8,22.69 U1.38 ; U3.43 11.45,34.1 9.08,31.73 v1(9.08,31.69)
  Bottom w0.2: v1(9.08,31.69) v1(11.17,29.19)
/RAM_DQ0: length 15.5
  Top w0.2: U3.83 28.85,43.5 30.31,42.04 30.31,34.48 26.8,30.96
/RAM_DQ1: length 13.8